# Altium PCB 智能马桶综合检测台V1.0.PcbDoc (part 6 of 10) (continued)
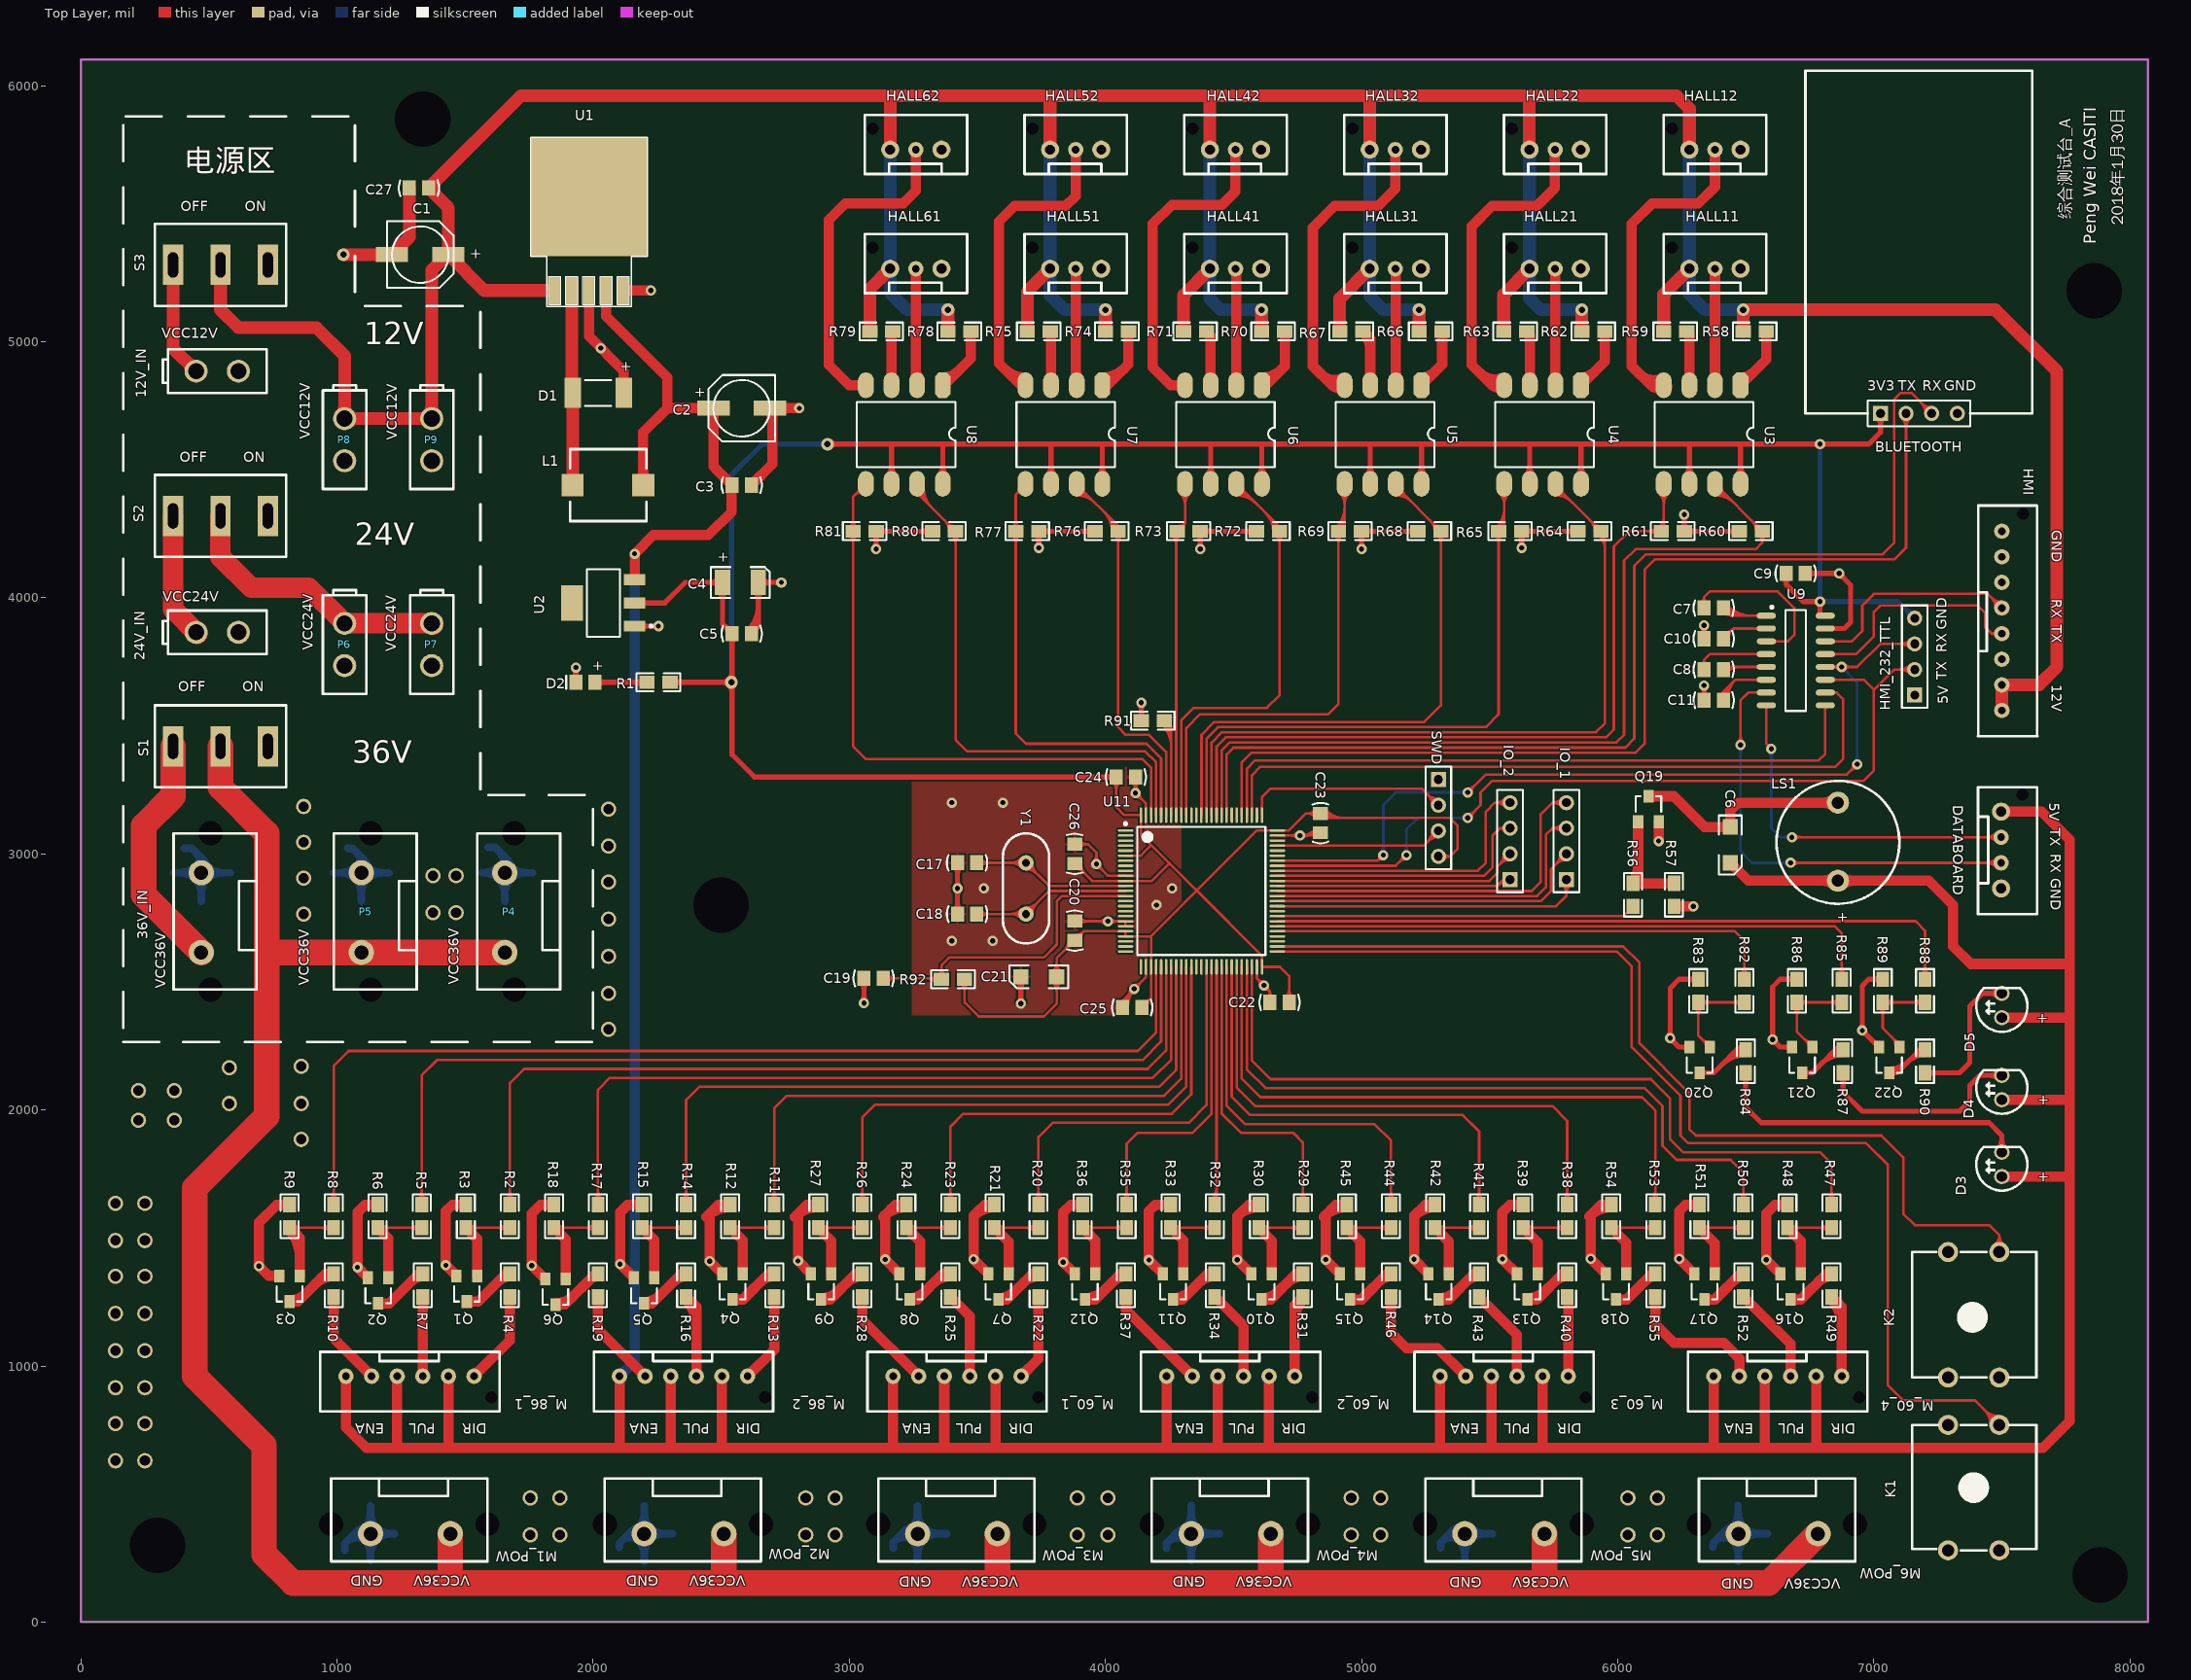
[diagram p0: Top Layer view]
## Nets (pads, with @x,y where several pads share a name; then routed paths per layer and width w, separated by ;. In a path a pad name is that pad's centre, name@x,y a point inside that pad or via, vN(x,y) a via of type N, cw(c..) or ccw(c..) an arc to the next point about the centre after c; other vN are vias at no path point) (continued)
  Bottom Layer w10: v1(5175,2995) 5175,3095 5220,3140 v1@5430,3140 ; v1@5164.39,3005.61 ccw(c5138.79,3031.21) 5175,3031.21 ; v1@5164.39,3005.61 ccw(c5138.79,3031.21) 5175,3031.21 ; v1@5164.39,3005.61 ccw(c5138.79,3031.21) 5175,3031.21 ; v1@5164.39,3005.61 ccw(c5138.79,3031.21) 5175,3031.21 ; v1@5164.39,3005.61 ccw(c5138.79,3031.21) 5175,3031.21 ; v1@5164.39,3005.61 ccw(c5138.79,3031.21) 5175,3031.21 ; 5175,3031.21 ccw(c5211.21,3031.21) v1@5185.61,3005.61 ; 5175,3031.21 ccw(c5211.21,3031.21) v1@5185.61,3005.61 ; 5175,3031.21 ccw(c5211.21,3031.21) v1@5185.61,3005.61 ; 5175,3031.21 ccw(c5211.21,3031.21) v1@5185.61,3005.61 ; 5175,3031.21 ccw(c5211.21,3031.21) v1@5185.61,3005.61 ; 5175,3031.21 ccw(c5211.21,3031.21) v1@5185.61,3005.61 ; 5378.79,3140 cw(c5378.79,3103.79) v1@5404.39,3129.39 ; 5378.79,3140 ccw(c5378.79,3176.21) v1@5404.39,3150.61 ; 5378.79,3140 cw(c5378.79,3103.79) v1@5404.39,3129.39 ; 5378.79,3140 ccw(c5378.79,3176.21) v1@5404.39,3150.61 ; 5378.79,3140 cw(c5378.79,3103.79) v1@5404.39,3129.39 ; 5378.79,3140 ccw(c5378.79,3176.21) v1@5404.39,3150.61 ; 5378.79,3140 cw(c5378.79,3103.79) v1@5404.39,3129.39 ; 5378.79,3140 ccw(c5378.79,3176.21) v1@5404.39,3150.61 ; 5378.79,3140 cw(c5378.79,3103.79) v1@5404.39,3129.39 ; 5378.79,3140 ccw(c5378.79,3176.21) v1@5404.39,3150.61 ; 5378.79,3140 ccw(c5378.79,3176.21) v1@5404.39,3150.61 ; 5378.79,3140 cw(c5378.79,3103.79) v1@5404.39,3129.39
KEY1: K1.2@7490,770 U11.51 | length 5700.2
  Top Layer w10: U11.51@4671.26,2618.78 5996.22,2618.78 6055,2560 6055,2245 6245,2055 6245,1900 6275,1870 6970,1870 7055,1785 7055,925 7115,865 7395,865 K1.2@7490,770 ; 7431.33,828.67 cw(c7372.65,770) K1.2@7455.63,770 ; 7431.33,828.67 ccw(c7490,887.35) K1.2@7490,804.37 ; 7431.33,828.67 cw(c7372.65,770) K1.2@7455.63,770 ; 7431.33,828.67 ccw(c7490,887.35) K1.2@7490,804.37 ; 7431.33,828.67 cw(c7372.65,770) K1.2@7455.63,770 ; 7431.33,828.67 ccw(c7490,887.35) K1.2@7490,804.37 ; 7431.33,828.67 cw(c7372.65,770) K1.2@7455.63,770 ; 7431.33,828.67 ccw(c7490,887.35) K1.2@7490,804.37 ; 7431.33,828.67 cw(c7372.65,770) K1.2@7455.63,770 ; 7431.33,828.67 ccw(c7490,887.35) K1.2@7490,804.37 ; 7431.33,828.67 ccw(c7490,887.35) K1.2@7490,804.37 ; 7431.33,828.67 cw(c7372.65,770) K1.2@7455.63,770 ; 7448.4,811.6 cw(c7406.8,770) K1.2@7465.63,770 ; 7448.4,811.6 ccw(c7490,853.2) K1.2@7490,794.37 ; 7448.4,811.6 cw(c7406.8,770) K1.2@7465.63,770 ; 7448.4,811.6 ccw(c7490,853.2) K1.2@7490,794.37 ; 7448.4,811.6 cw(c7406.8,770) K1.2@7465.63,770 ; 7448.4,811.6 ccw(c7490,853.2) K1.2@7490,794.37 ; 7448.4,811.6 cw(c7406.8,770) K1.2@7465.63,770 ; 7448.4,811.6 ccw(c7490,853.2) K1.2@7490,794.37 ; 7448.4,811.6 cw(c7406.8,770) K1.2@7465.63,770 ; 7448.4,811.6 ccw(c7490,853.2) K1.2@7490,794.37 ; 7448.4,811.6 ccw(c7490,853.2) K1.2@7490,794.37 ; 7448.4,811.6 cw(c7406.8,770) K1.2@7465.63,770
KEY2: K2.2@7490,1445 U11.52 | length 4629.9
  Top Layer w10: U11.52@4671.26,2638.46 6021.54,2638.46 6085,2575 6085,2260 6280,2065 6280,1925 6305,1900 7030,1900 7115,1815 7115,1595 7160,1550 7450,1550 7490,1510 ; K2.2@7490,1445 7490,1510 ; K2.2@7470.65,1473.41 ccw(c7445.73,1510) 7490,1510 ; K2.2@7470.65,1473.41 ccw(c7445.73,1510) 7490,1510 ; K2.2@7470.65,1473.41 ccw(c7445.73,1510) 7490,1510 ; K2.2@7470.65,1473.41 ccw(c7445.73,1510) 7490,1510 ; K2.2@7470.65,1473.41 ccw(c7445.73,1510) 7490,1510 ; K2.2@7470.65,1473.41 ccw(c7445.73,1510) 7490,1510 ; K2.2@7476.28,1465.14 ccw(c7458.61,1491.09) 7490,1491.09 ; K2.2@7476.28,1465.14 ccw(c7458.61,1491.09) 7490,1491.09 ; K2.2@7476.28,1465.14 ccw(c7458.61,1491.09) 7490,1491.09 ; K2.2@7476.28,1465.14 ccw(c7458.61,1491.09) 7490,1491.09 ; K2.2@7476.28,1465.14 ccw(c7458.61,1491.09) 7490,1491.09 ; K2.2@7476.28,1465.14 ccw(c7458.61,1491.09) 7490,1491.09 ; 7490,1491.09 ccw(c7521.39,1491.09) K2.2@7503.72,1465.14 ; 7490,1491.09 ccw(c7521.39,1491.09) K2.2@7503.72,1465.14 ; 7490,1491.09 ccw(c7521.39,1491.09) K2.2@7503.72,1465.14 ; 7490,1491.09 ccw(c7521.39,1491.09) K2.2@7503.72,1465.14 ; 7490,1491.09 ccw(c7521.39,1491.09) K2.2@7503.72,1465.14 ; 7490,1491.09 ccw(c7521.39,1491.09) K2.2@7503.72,1465.14 ; 7490,1510 ccw(c7534.27,1510) K2.2@7509.35,1473.41 ; 7490,1510 ccw(c7534.27,1510) K2.2@7509.35,1473.41 ; 7490,1510 ccw(c7534.27,1510) K2.2@7509.35,1473.41 ; 7490,1510 ccw(c7534.27,1510) K2.2@7509.35,1473.41 ; 7490,1510 ccw(c7534.27,1510) K2.2@7509.35,1473.41 ; 7490,1510 ccw(c7534.27,1510) K2.2@7509.35,1473.41
LED1: R82.1 U11.55 | length 2444.4
  Top Layer w10: U11.55@4671.26,2697.52 6457.48,2697.52 6495,2660 R82.1@6495,2510 ; R82.1@6480.86,2529.14 ccw(c6446.72,2563.28) 6495,2563.28 ; R82.1@6480.86,2529.14 ccw(c6446.72,2563.28) 6495,2563.28 ; R82.1@6480.86,2529.14 ccw(c6446.72,2563.28) 6495,2563.28 ; R82.1@6480.86,2529.14 ccw(c6446.72,2563.28) 6495,2563.28 ; R82.1@6480.86,2529.14 ccw(c6446.72,2563.28) 6495,2563.28 ; R82.1@6480.86,2529.14 ccw(c6446.72,2563.28) 6495,2563.28 ; 6495,2563.28 ccw(c6543.28,2563.28) R82.1@6509.14,2529.14 ; 6495,2563.28 ccw(c6543.28,2563.28) R82.1@6509.14,2529.14 ; 6495,2563.28 ccw(c6543.28,2563.28) R82.1@6509.14,2529.14 ; 6495,2563.28 ccw(c6543.28,2563.28) R82.1@6509.14,2529.14 ; 6495,2563.28 ccw(c6543.28,2563.28) R82.1@6509.14,2529.14 ; 6495,2563.28 ccw(c6543.28,2563.28) R82.1@6509.14,2529.14
LED2: R85.1 U11.56 | length 2850.1
  Top Layer w10: U11.56@4671.26,2717.2 6847.8,2717.2 6875,2690 R85.1@6875,2510 ; R85.1@6860.86,2529.14 ccw(c6826.72,2563.28) 6875,2563.28 ; R85.1@6860.86,2529.14 ccw(c6826.72,2563.28) 6875,2563.28 ; R85.1@6860.86,2529.14 ccw(c6826.72,2563.28) 6875,2563.28 ; R85.1@6860.86,2529.14 ccw(c6826.72,2563.28) 6875,2563.28 ; R85.1@6860.86,2529.14 ccw(c6826.72,2563.28) 6875,2563.28 ; R85.1@6860.86,2529.14 ccw(c6826.72,2563.28) 6875,2563.28 ; 6875,2563.28 ccw(c6923.28,2563.28) R85.1@6889.14,2529.14 ; 6875,2563.28 ccw(c6923.28,2563.28) R85.1@6889.14,2529.14 ; 6875,2563.28 ccw(c6923.28,2563.28) R85.1@6889.14,2529.14 ; 6875,2563.28 ccw(c6923.28,2563.28) R85.1@6889.14,2529.14 ; 6875,2563.28 ccw(c6923.28,2563.28) R85.1@6889.14,2529.14 ; 6875,2563.28 ccw(c6923.28,2563.28) R85.1@6889.14,2529.14
LED3: R88.1 U11.57 | length 3189.1
  Top Layer w10: U11.57@4671.26,2736.89 7163.11,2736.89 7200,2700 R88.1@7200,2510 ; R88.1@7185.86,2529.14 ccw(c7151.72,2563.28) 7200,2563.28 ; R88.1@7185.86,2529.14 ccw(c7151.72,2563.28) 7200,2563.28 ; R88.1@7185.86,2529.14 ccw(c7151.72,2563.28) 7200,2563.28 ; R88.1@7185.86,2529.14 ccw(c7151.72,2563.28) 7200,2563.28 ; R88.1@7185.86,2529.14 ccw(c7151.72,2563.28) 7200,2563.28 ; R88.1@7185.86,2529.14 ccw(c7151.72,2563.28) 7200,2563.28 ; 7200,2563.28 ccw(c7248.28,2563.28) R88.1@7214.14,2529.14 ; 7200,2563.28 ccw(c7248.28,2563.28) R88.1@7214.14,2529.14 ; 7200,2563.28 ccw(c7248.28,2563.28) R88.1@7214.14,2529.14 ; 7200,2563.28 ccw(c7248.28,2563.28) R88.1@7214.14,2529.14 ; 7200,2563.28 ccw(c7248.28,2563.28) R88.1@7214.14,2529.14 ; 7200,2563.28 ccw(c7248.28,2563.28) R88.1@7214.14,2529.14
NetC6_1: C6.1 LS1.2 Q19.3 | length 1397.4
  Top Layer w40: Q19.3@6120,3225 6220,3225 6340,3105 C6.1@6440,3105 6440,3170 6470,3200 LS1.2@6860,3200 ; 6803.73,3200 cw(c6803.73,3143.73) LS1.2@6843.52,3183.52 ; 6803.73,3200 ccw(c6803.73,3256.27) LS1.2@6843.52,3216.48 ; 6803.73,3200 cw(c6803.73,3143.73) LS1.2@6843.52,3183.52 ; 6803.73,3200 ccw(c6803.73,3256.27) LS1.2@6843.52,3216.48 ; 6803.73,3200 cw(c6803.73,3143.73) LS1.2@6843.52,3183.52 ; 6803.73,3200 ccw(c6803.73,3256.27) LS1.2@6843.52,3216.48 ; 6803.73,3200 cw(c6803.73,3143.73) LS1.2@6843.52,3183.52 ; 6803.73,3200 ccw(c6803.73,3256.27) LS1.2@6843.52,3216.48 ; 6803.73,3200 cw(c6803.73,3143.73) LS1.2@6843.52,3183.52 ; 6803.73,3200 ccw(c6803.73,3256.27) LS1.2@6843.52,3216.48 ; 6803.73,3200 ccw(c6803.73,3256.27) LS1.2@6843.52,3216.48 ; 6803.73,3200 cw(c6803.73,3143.73) LS1.2@6843.52,3183.52
NetC7_1: C7.1 U9.1 | length 2651.4
  Top Layer w10: C7.1@6412.4,3960 6442.4,3930 U9.1@6600.51,3930 ; C7.1@6405.75,3949.41 ccw(c6452.61,3996.27) 6452.61,3930 ; C7.1@6405.75,3949.41 ccw(c6452.61,3996.27) 6452.61,3930 ; C7.1@6405.75,3949.41 ccw(c6452.61,3996.27) 6452.61,3930 ; C7.1@6405.75,3949.41 ccw(c6452.61,3996.27) 6452.61,3930 ; C7.1@6405.75,3949.41 ccw(c6452.61,3996.27) 6452.61,3930 ; C7.1@6405.75,3949.41 ccw(c6452.61,3996.27) 6452.61,3930 ; C7.1@6412.82,3956.48 ccw(c6476.75,4020.41) 6476.75,3930 ; C7.1@6412.82,3956.48 ccw(c6476.75,4020.41) 6476.75,3930 ; C7.1@6412.82,3956.48 ccw(c6476.75,4020.41) 6476.75,3930 ; C7.1@6412.82,3956.48 ccw(c6476.75,4020.41) 6476.75,3930 ; C7.1@6412.82,3956.48 ccw(c6476.75,4020.41) 6476.75,3930 ; C7.1@6412.82,3956.48 ccw(c6476.75,4020.41) 6476.75,3930 ; C7.1@6416.93,3935.98 cw(c6423.44,3907.1) 6444.37,3928.03 ; C7.1@6416.93,3935.98 cw(c6423.44,3907.1) 6444.37,3928.03 ; C7.1@6416.93,3935.98 cw(c6423.44,3907.1) 6444.37,3928.03 ; C7.1@6416.93,3935.98 cw(c6423.44,3907.1) 6444.37,3928.03 ; C7.1@6416.93,3935.98 cw(c6423.44,3907.1) 6444.37,3928.03 ; C7.1@6416.93,3935.98 cw(c6423.44,3907.1) 6444.37,3928.03 ; C7.1@6419.89,3963.55 ccw(c6500.89,4044.55) 6500.89,3930 ; C7.1@6419.89,3963.55 ccw(c6500.89,4044.55) 6500.89,3930 ; C7.1@6419.89,3963.55 ccw(c6500.89,4044.55) 6500.89,3930 ; C7.1@6419.89,3963.55 ccw(c6500.89,4044.55) 6500.89,3930 ; C7.1@6419.89,3963.55 ccw(c6500.89,4044.55) 6500.89,3930 ; C7.1@6419.89,3963.55 ccw(c6500.89,4044.55) 6500.89,3930 ; C7.1@6426.96,3970.62 ccw(c6525.03,4068.69) 6525.03,3930 ; C7.1@6426.96,3970.62 ccw(c6525.03,4068.69) 6525.03,3930 ; C7.1@6426.96,3970.62 ccw(c6525.03,4068.69) 6525.03,3930 ; C7.1@6426.96,3970.62 ccw(c6525.03,4068.69) 6525.03,3930 ; C7.1@6426.96,3970.62 ccw(c6525.03,4068.69) 6525.03,3930 ; C7.1@6426.96,3970.62 ccw(c6525.03,4068.69) 6525.03,3930 ; C7.1@6432.99,3955.87 ccw(c6471.84,3955.5) 6444.37,3928.03 ; C7.1@6432.99,3955.87 ccw(c6471.84,3955.5) 6444.37,3928.03 ; C7.1@6432.99,3955.87 ccw(c6471.84,3955.5) 6444.37,3928.03 ; C7.1@6432.99,3955.87 ccw(c6471.84,3955.5) 6444.37,3928.03 ; C7.1@6432.99,3955.87 ccw(c6471.84,3955.5) 6444.37,3928.03 ; C7.1@6432.99,3955.87 ccw(c6471.84,3955.5) 6444.37,3928.03 ; 6538.6,3930 cw(c6538.6,3913.56) 6550.22,3925.18 ccw(c6538.6,3913.56) 6538.6,3930 ; 6538.6,3930 ccw(c6538.6,3946.44) 6550.22,3934.82 cw(c6538.6,3946.44) 6538.6,3930 ; U9.1@6552.57,3930 cw(c6552.57,3913.56) U9.1@6564.2,3925.18 ; U9.1@6552.57,3930 ccw(c6552.57,3946.44) U9.1@6564.2,3934.82 ; U9.1@6552.57,3930 cw(c6552.57,3913.56) U9.1@6564.2,3925.18 ; U9.1@6552.57,3930 ccw(c6552.57,3946.44) U9.1@6564.2,3934.82 ; U9.1@6552.57,3930 cw(c6552.57,3913.56) U9.1@6564.2,3925.18 ; U9.1@6552.57,3930 ccw(c6552.57,3946.44) U9.1@6564.2,3934.82 ; U9.1@6552.57,3930 cw(c6552.57,3913.56) U9.1@6564.2,3925.18 ; U9.1@6552.57,3930 ccw(c6552.57,3946.44) U9.1@6564.2,3934.82
NetC7_2: C7.2 U9.3 | length 1012.9
  Top Layer w10: C7.2@6337.6,3960 6337.6,4002.6 ; U9.3@6580.63,3830 6665,3830 6690,3855 6690,3960 6625,4025 6360,4025 6337.6,4002.6 ; C7.2@6326.11,3981.02 ccw(c6311.6,4002.6) 6337.6,4002.6 ; C7.2@6326.11,3981.02 ccw(c6311.6,4002.6) 6337.6,4002.6 ; C7.2@6326.11,3981.02 ccw(c6311.6,4002.6) 6337.6,4002.6 ; C7.2@6326.11,3981.02 ccw(c6311.6,4002.6) 6337.6,4002.6 ; C7.2@6326.11,3981.02 ccw(c6311.6,4002.6) 6337.6,4002.6 ; C7.2@6326.11,3981.02 ccw(c6311.6,4002.6) 6337.6,4002.6 ; 6337.6,4002.6 ccw(c6363.6,4002.6) C7.2@6349.09,3981.02 ; 6337.6,4002.6 ccw(c6363.6,4002.6) C7.2@6349.09,3981.02 ; 6337.6,4002.6 ccw(c6363.6,4002.6) C7.2@6349.09,3981.02 ; 6337.6,4002.6 ccw(c6363.6,4002.6) C7.2@6349.09,3981.02 ; 6337.6,4002.6 ccw(c6363.6,4002.6) C7.2@6349.09,3981.02 ; 6337.6,4002.6 ccw(c6363.6,4002.6) C7.2@6349.09,3981.02 ; 6622.66,3830 cw(c6622.66,3846.44) 6611.04,3834.82 ccw(c6622.66,3846.44) 6622.66,3830 ; 6622.66,3830 ccw(c6622.66,3813.56) 6611.04,3825.18 cw(c6622.66,3813.56) 6622.66,3830
NetC8_1: C8.1 U9.4 | length 691.6
  Top Layer w10: C8.1@6337.6,3720 6337.6,3757.6 ; U9.4@6600.51,3780 6360,3780 6337.6,3757.6 ; C8.1@6328.22,3742.27 ccw(c6320.38,3757.6) 6337.6,3757.6 ; C8.1@6328.22,3742.27 ccw(c6320.38,3757.6) 6337.6,3757.6 ; C8.1@6328.22,3742.27 ccw(c6320.38,3757.6) 6337.6,3757.6 ; C8.1@6328.22,3742.27 ccw(c6320.38,3757.6) 6337.6,3757.6 ; C8.1@6328.22,3742.27 ccw(c6320.38,3757.6) 6337.6,3757.6 ; C8.1@6328.22,3742.27 ccw(c6320.38,3757.6) 6337.6,3757.6 ; 6337.6,3757.6 ccw(c6354.82,3757.6) C8.1@6346.98,3742.27 ; 6337.6,3757.6 ccw(c6354.82,3757.6) C8.1@6346.98,3742.27 ; 6337.6,3757.6 ccw(c6354.82,3757.6) C8.1@6346.98,3742.27 ; 6337.6,3757.6 ccw(c6354.82,3757.6) C8.1@6346.98,3742.27 ; 6337.6,3757.6 ccw(c6354.82,3757.6) C8.1@6346.98,3742.27 ; 6337.6,3757.6 ccw(c6354.82,3757.6) C8.1@6346.98,3742.27 ; 6538.6,3780 cw(c6538.6,3763.56) 6550.22,3775.18 ccw(c6538.6,3763.56) 6538.6,3780 ; 6538.6,3780 ccw(c6538.6,3796.44) 6550.22,3784.82 cw(c6538.6,3796.44) 6538.6,3780 ; U9.4@6552.57,3780 cw(c6552.57,3763.56) U9.4@6564.2,3775.18 ; U9.4@6552.57,3780 ccw(c6552.57,3796.44) U9.4@6564.2,3784.82 ; U9.4@6552.57,3780 cw(c6552.57,3763.56) U9.4@6564.2,3775.18 ; U9.4@6552.57,3780 ccw(c6552.57,3796.44) U9.4@6564.2,3784.82 ; U9.4@6552.57,3780 cw(c6552.57,3763.56) U9.4@6564.2,3775.18 ; U9.4@6552.57,3780 ccw(c6552.57,3796.44) U9.4@6564.2,3784.82 ; U9.4@6552.57,3780 cw(c6552.57,3763.56) U9.4@6564.2,3775.18 ; U9.4@6552.57,3780 ccw(c6552.57,3796.44) U9.4@6564.2,3784.82
NetC8_2: C8.2 U9.5 | length 1033.8
  Top Layer w10: C8.2@6412.4,3720 6422.4,3730 U9.5@6600.51,3730 ; C8.2@6419.89,3716.45 cw(c6452.61,3683.73) 6452.61,3730 ; C8.2@6419.89,3716.45 cw(c6452.61,3683.73) 6452.61,3730 ; C8.2@6419.89,3716.45 cw(c6452.61,3683.73) 6452.61,3730 ; C8.2@6419.89,3716.45 cw(c6452.61,3683.73) 6452.61,3730 ; C8.2@6419.89,3716.45 cw(c6452.61,3683.73) 6452.61,3730 ; C8.2@6419.89,3716.45 cw(c6452.61,3683.73) 6452.61,3730 ; C8.2@6426.96,3709.38 cw(c6476.75,3659.59) 6476.75,3730 ; C8.2@6426.96,3709.38 cw(c6476.75,3659.59) 6476.75,3730 ; C8.2@6426.96,3709.38 cw(c6476.75,3659.59) 6476.75,3730 ; C8.2@6426.96,3709.38 cw(c6476.75,3659.59) 6476.75,3730 ; C8.2@6426.96,3709.38 cw(c6476.75,3659.59) 6476.75,3730 ; C8.2@6426.96,3709.38 cw(c6476.75,3659.59) 6476.75,3730 ; C8.2@6426.96,3738.5 ccw(c6447.47,3759.01) 6447.47,3730 ; C8.2@6426.96,3738.5 ccw(c6447.47,3759.01) 6447.47,3730 ; C8.2@6426.96,3738.5 ccw(c6447.47,3759.01) 6447.47,3730 ; C8.2@6426.96,3738.5 ccw(c6447.47,3759.01) 6447.47,3730 ; C8.2@6426.96,3738.5 ccw(c6447.47,3759.01) 6447.47,3730 ; C8.2@6426.96,3738.5 ccw(c6447.47,3759.01) 6447.47,3730 ; 6538.6,3730 cw(c6538.6,3713.56) 6550.22,3725.18 ccw(c6538.6,3713.56) 6538.6,3730 ; 6538.6,3730 ccw(c6538.6,3746.44) 6550.22,3734.82 cw(c6538.6,3746.44) 6538.6,3730 ; U9.5@6552.57,3730 cw(c6552.57,3713.56) U9.5@6564.2,3725.18 ; U9.5@6552.57,3730 ccw(c6552.57,3746.44) U9.5@6564.2,3734.82 ; U9.5@6552.57,3730 cw(c6552.57,3713.56) U9.5@6564.2,3725.18 ; U9.5@6552.57,3730 ccw(c6552.57,3746.44) U9.5@6564.2,3734.82 ; U9.5@6552.57,3730 cw(c6552.57,3713.56) U9.5@6564.2,3725.18 ; U9.5@6552.57,3730 ccw(c6552.57,3746.44) U9.5@6564.2,3734.82 ; U9.5@6552.57,3730 cw(c6552.57,3713.56) U9.5@6564.2,3725.18 ; U9.5@6552.57,3730 ccw(c6552.57,3746.44) U9.5@6564.2,3734.82
NetC10_2: C10.2 U9.2 | length 964.7
  Top Layer w10: C10.2@6412.4,3840 6452.4,3880 ; U9.2@6600.51,3880 6452.4,3880 ; C10.2@6412.77,3854.52 ccw(c6413.86,3886) C10.2@6436.13,3863.73 ; C10.2@6412.77,3854.52 ccw(c6413.86,3886) C10.2@6436.13,3863.73 ; C10.2@6412.77,3854.52 ccw(c6413.86,3886) C10.2@6436.13,3863.73 ; C10.2@6412.77,3854.52 ccw(c6413.86,3886) C10.2@6436.13,3863.73 ; C10.2@6412.77,3854.52 ccw(c6413.86,3886) C10.2@6436.13,3863.73 ; C10.2@6412.77,3854.52 ccw(c6413.86,3886) C10.2@6436.13,3863.73 ; C10.2@6413.11,3864.52 ccw(c6414.94,3917.45) 6452.4,3880 ; C10.2@6413.11,3864.52 ccw(c6414.94,3917.45) 6452.4,3880 ; C10.2@6413.11,3864.52 ccw(c6414.94,3917.45) 6452.4,3880 ; C10.2@6413.11,3864.52 ccw(c6414.94,3917.45) 6452.4,3880 ; C10.2@6413.11,3864.52 ccw(c6414.94,3917.45) 6452.4,3880 ; C10.2@6413.11,3864.52 ccw(c6414.94,3917.45) 6452.4,3880 ; C10.2@6432.99,3843.94 cw(c6473.2,3843.94) 6444.77,3872.37 ; C10.2@6432.99,3843.94 cw(c6473.2,3843.94) 6444.77,3872.37 ; C10.2@6432.99,3843.94 cw(c6473.2,3843.94) 6444.77,3872.37 ; C10.2@6432.99,3843.94 cw(c6473.2,3843.94) 6444.77,3872.37 ; C10.2@6432.99,3843.94 cw(c6473.2,3843.94) 6444.77,3872.37 ; C10.2@6432.99,3843.94 cw(c6473.2,3843.94) 6444.77,3872.37 ; 6538.6,3880 cw(c6538.6,3863.56) 6550.22,3875.18 ccw(c6538.6,3863.56) 6538.6,3880 ; 6538.6,3880 ccw(c6538.6,3896.44) 6550.22,3884.82 cw(c6538.6,3896.44) 6538.6,3880 ; U9.2@6552.57,3880 cw(c6552.57,3863.56) U9.2@6564.2,3875.18 ; U9.2@6552.57,3880 ccw(c6552.57,3896.44) U9.2@6564.2,3884.82 ; U9.2@6552.57,3880 cw(c6552.57,3863.56) U9.2@6564.2,3875.18 ; U9.2@6552.57,3880 ccw(c6552.57,3896.44) U9.2@6564.2,3884.82 ; U9.2@6552.57,3880 cw(c6552.57,3863.56) U9.2@6564.2,3875.18 ; U9.2@6552.57,3880 ccw(c6552.57,3896.44) U9.2@6564.2,3884.82 ; U9.2@6552.57,3880 cw(c6552.57,3863.56) U9.2@6564.2,3875.18 ; U9.2@6552.57,3880 ccw(c6552.57,3896.44) U9.2@6564.2,3884.82
NetC11_2: C11.2 U9.6 | length 1464.5
  Top Layer w10: C11.2@6412.4,3600 6412.4,3632.4 ; U9.6@6600.51,3680 6460,3680 ; C11.2@6403.03,3603.13 cw(c6442.36,3606.53) 6414.44,3634.44 ; C11.2@6403.03,3603.13 cw(c6442.36,3606.53) 6414.44,3634.44 ; C11.2@6403.03,3603.13 cw(c6442.36,3606.53) 6414.44,3634.44 ; C11.2@6403.03,3603.13 cw(c6442.36,3606.53) 6414.44,3634.44 ; C11.2@6405.96,3623.49 ccw(c6403.02,3632.4) 6412.4,3632.4 ; C11.2@6405.96,3623.49 ccw(c6403.02,3632.4) 6412.4,3632.4 ; C11.2@6405.96,3623.49 ccw(c6403.02,3632.4) 6412.4,3632.4 ; C11.2@6405.96,3623.49 ccw(c6403.02,3632.4) 6412.4,3632.4 ; C11.2@6405.96,3623.49 ccw(c6403.02,3632.4) 6412.4,3632.4 ; C11.2@6405.96,3623.49 ccw(c6403.02,3632.4) 6412.4,3632.4 ; 6412.4,3632.4 ccw(c6421.78,3632.4) C11.2@6418.84,3623.49 ; 6412.4,3632.4 ccw(c6421.78,3632.4) C11.2@6418.84,3623.49 ; 6412.4,3632.4 ccw(c6421.78,3632.4) C11.2@6418.84,3623.49 ; 6412.4,3632.4 ccw(c6421.78,3632.4) C11.2@6418.84,3623.49 ; 6412.4,3632.4 ccw(c6421.78,3632.4) C11.2@6418.84,3623.49 ; 6412.4,3632.4 ccw(c6421.78,3632.4) C11.2@6418.84,3623.49 ; 6412.4,3632.4 6460,3680 ; C11.2@6412.99,3603.99 cw(c6470.31,3608.94) 6429.63,3649.63 ; C11.2@6412.99,3603.99 cw(c6470.31,3608.94) 6429.63,3649.63 ; C11.2@6412.99,3603.99 cw(c6470.31,3608.94) 6429.63,3649.63 ; C11.2@6412.99,3603.99 cw(c6470.31,3608.94) 6429.63,3649.63 ; C11.2@6422.95,3604.85 cw(c6498.27,3611.36) 6444.81,3664.81 ; C11.2@6422.95,3604.85 cw(c6498.27,3611.36) 6444.81,3664.81 ; C11.2@6422.95,3604.85 cw(c6498.27,3611.36) 6444.81,3664.81 ; C11.2@6422.95,3604.85 cw(c6498.27,3611.36) 6444.81,3664.81 ; C11.2@6432.92,3605.71 cw(c6526.22,3613.78) 6460,3680 ; C11.2@6432.92,3605.71 cw(c6526.22,3613.78) 6460,3680 ; C11.2@6432.92,3605.71 cw(c6526.22,3613.78) 6460,3680 ; C11.2@6432.92,3605.71 cw(c6526.22,3613.78) 6460,3680 ; 6538.6,3680 cw(c6538.6,3663.56) 6550.22,3675.18 ccw(c6538.6,3663.56) 6538.6,3680 ; 6538.6,3680 ccw(c6538.6,3696.44) 6550.22,3684.82 cw(c6538.6,3696.44) 6538.6,3680 ; U9.6@6552.57,3680 cw(c6552.57,3663.56) U9.6@6564.2,3675.18 ; U9.6@6552.57,3680 ccw(c6552.57,3696.44) U9.6@6564.2,3684.82 ; U9.6@6552.57,3680 cw(c6552.57,3663.56) U9.6@6564.2,3675.18 ; U9.6@6552.57,3680 ccw(c6552.57,3696.44) U9.6@6564.2,3684.82 ; U9.6@6552.57,3680 cw(c6552.57,3663.56) U9.6@6564.2,3675.18 ; U9.6@6552.57,3680 ccw(c6552.57,3696.44) U9.6@6564.2,3684.82 ; U9.6@6552.57,3680 cw(c6552.57,3663.56) U9.6@6564.2,3675.18 ; U9.6@6552.57,3680 ccw(c6552.57,3696.44) U9.6@6564.2,3684.82
NetD1_2: D1.2 L1.1 U1.2 | length 1177.5
  Top Layer w50: U1.2@1916.93,5200 1916.93,4803.66 D1.2@1920.59,4800 ; L1.1@1920,4440 D1.2@1920,4799.41 ; L1.1@1907.05,4452.95 ccw(c1875.8,4484.2) 1920,4484.2 ; L1.1@1907.05,4452.95 ccw(c1875.8,4484.2) 1920,4484.2 ; L1.1@1907.05,4452.95 ccw(c1875.8,4484.2) 1920,4484.2 ; L1.1@1907.05,4452.95 ccw(c1875.8,4484.2) 1920,4484.2 ; L1.1@1907.05,4452.95 ccw(c1875.8,4484.2) 1920,4484.2 ; L1.1@1907.05,4452.95 ccw(c1875.8,4484.2) 1920,4484.2 ; 1920,4484.2 ccw(c1964.2,4484.2) L1.1@1932.95,4452.95 ; 1920,4484.2 ccw(c1964.2,4484.2) L1.1@1932.95,4452.95 ; 1920,4484.2 ccw(c1964.2,4484.2) L1.1@1932.95,4452.95 ; 1920,4484.2 ccw(c1964.2,4484.2) L1.1@1932.95,4452.95 ; 1920,4484.2 ccw(c1964.2,4484.2) L1.1@1932.95,4452.95 ; 1920,4484.2 ccw(c1964.2,4484.2) L1.1@1932.95,4452.95
NetD2_1: D2.1 R1.1 | length 898.6
  Top Layer w20: D2.1@2007.4,3670 R1.1@2210,3670 ; D2.1@2018.43,3658.98 cw(c2045.04,3632.36) 2045.04,3670 ; D2.1@2018.43,3658.98 cw(c2045.04,3632.36) 2045.04,3670 ; D2.1@2018.43,3658.98 cw(c2045.04,3632.36) 2045.04,3670 ; D2.1@2018.43,3658.98 cw(c2045.04,3632.36) 2045.04,3670 ; D2.1@2018.43,3658.98 cw(c2045.04,3632.36) 2045.04,3670 ; D2.1@2018.43,3658.98 cw(c2045.04,3632.36) 2045.04,3670 ; D2.1@2018.43,3681.02 ccw(c2045.04,3707.64) 2045.04,3670 ; D2.1@2018.43,3681.02 ccw(c2045.04,3707.64) 2045.04,3670 ; D2.1@2018.43,3681.02 ccw(c2045.04,3707.64) 2045.04,3670 ; D2.1@2018.43,3681.02 ccw(c2045.04,3707.64) 2045.04,3670 ; D2.1@2018.43,3681.02 ccw(c2045.04,3707.64) 2045.04,3670 ; D2.1@2018.43,3681.02 ccw(c2045.04,3707.64) 2045.04,3670 ; 2168.79,3670 cw(c2168.79,3633.79) R1.1@2194.39,3659.39 ; 2168.79,3670 ccw(c2168.79,3706.21) R1.1@2194.39,3680.61 ; 2168.79,3670 cw(c2168.79,3633.79) R1.1@2194.39,3659.39 ; 2168.79,3670 ccw(c2168.79,3706.21) R1.1@2194.39,3680.61 ; 2168.79,3670 cw(c2168.79,3633.79) R1.1@2194.39,3659.39 ; 2168.79,3670 ccw(c2168.79,3706.21) R1.1@2194.39,3680.61 ; 2168.79,3670 cw(c2168.79,3633.79) R1.1@2194.39,3659.39 ; 2168.79,3670 ccw(c2168.79,3706.21) R1.1@2194.39,3680.61 ; 2168.79,3670 cw(c2168.79,3633.79) R1.1@2194.39,3659.39 ; 2168.79,3670 ccw(c2168.79,3706.21) R1.1@2194.39,3680.61 ; 2168.79,3670 ccw(c2168.79,3706.21) R1.1@2194.39,3680.61 ; 2168.79,3670 cw(c2168.79,3633.79) R1.1@2194.39,3659.39
NetD3_2: D3.2 R84.1 | length 2041.9
  Top Layer w20: R84.1@6500,2145 6500,2010 6560,1950 7450,1950 7500,1900 D3.2@7500,1835 ; R84.1@6489.39,2129.39 cw(c6463.79,2103.79) 6500,2103.79 ; R84.1@6489.39,2129.39 cw(c6463.79,2103.79) 6500,2103.79 ; R84.1@6489.39,2129.39 cw(c6463.79,2103.79) 6500,2103.79 ; R84.1@6489.39,2129.39 cw(c6463.79,2103.79) 6500,2103.79 ; R84.1@6489.39,2129.39 cw(c6463.79,2103.79) 6500,2103.79 ; R84.1@6489.39,2129.39 cw(c6463.79,2103.79) 6500,2103.79 ; 6500,2103.79 cw(c6536.21,2103.79) R84.1@6510.61,2129.39 ; 6500,2103.79 cw(c6536.21,2103.79) R84.1@6510.61,2129.39 ; 6500,2103.79 cw(c6536.21,2103.79) R84.1@6510.61,2129.39 ; 6500,2103.79 cw(c6536.21,2103.79) R84.1@6510.61,2129.39 ; 6500,2103.79 cw(c6536.21,2103.79) R84.1@6510.61,2129.39 ; 6500,2103.79 cw(c6536.21,2103.79) R84.1@6510.61,2129.39 ; D3.2@7485.86,1849.14 ccw(c7451.72,1883.28) 7500,1883.28 ; D3.2@7485.86,1849.14 ccw(c7451.72,1883.28) 7500,1883.28 ; D3.2@7485.86,1849.14 ccw(c7451.72,1883.28) 7500,1883.28 ; D3.2@7485.86,1849.14 ccw(c7451.72,1883.28) 7500,1883.28 ; D3.2@7485.86,1849.14 ccw(c7451.72,1883.28) 7500,1883.28 ; D3.2@7485.86,1849.14 ccw(c7451.72,1883.28) 7500,1883.28 ; 7500,1883.28 ccw(c7548.28,1883.28) D3.2@7514.14,1849.14 ; 7500,1883.28 ccw(c7548.28,1883.28) D3.2@7514.14,1849.14 ; 7500,1883.28 ccw(c7548.28,1883.28) D3.2@7514.14,1849.14 ; 7500,1883.28 ccw(c7548.28,1883.28) D3.2@7514.14,1849.14 ; 7500,1883.28 ccw(c7548.28,1883.28) D3.2@7514.14,1849.14 ; 7500,1883.28 ccw(c7548.28,1883.28) D3.2@7514.14,1849.14